# KiCad board TRX055.01.01.PB.00.00.kicad_pcb (continued)
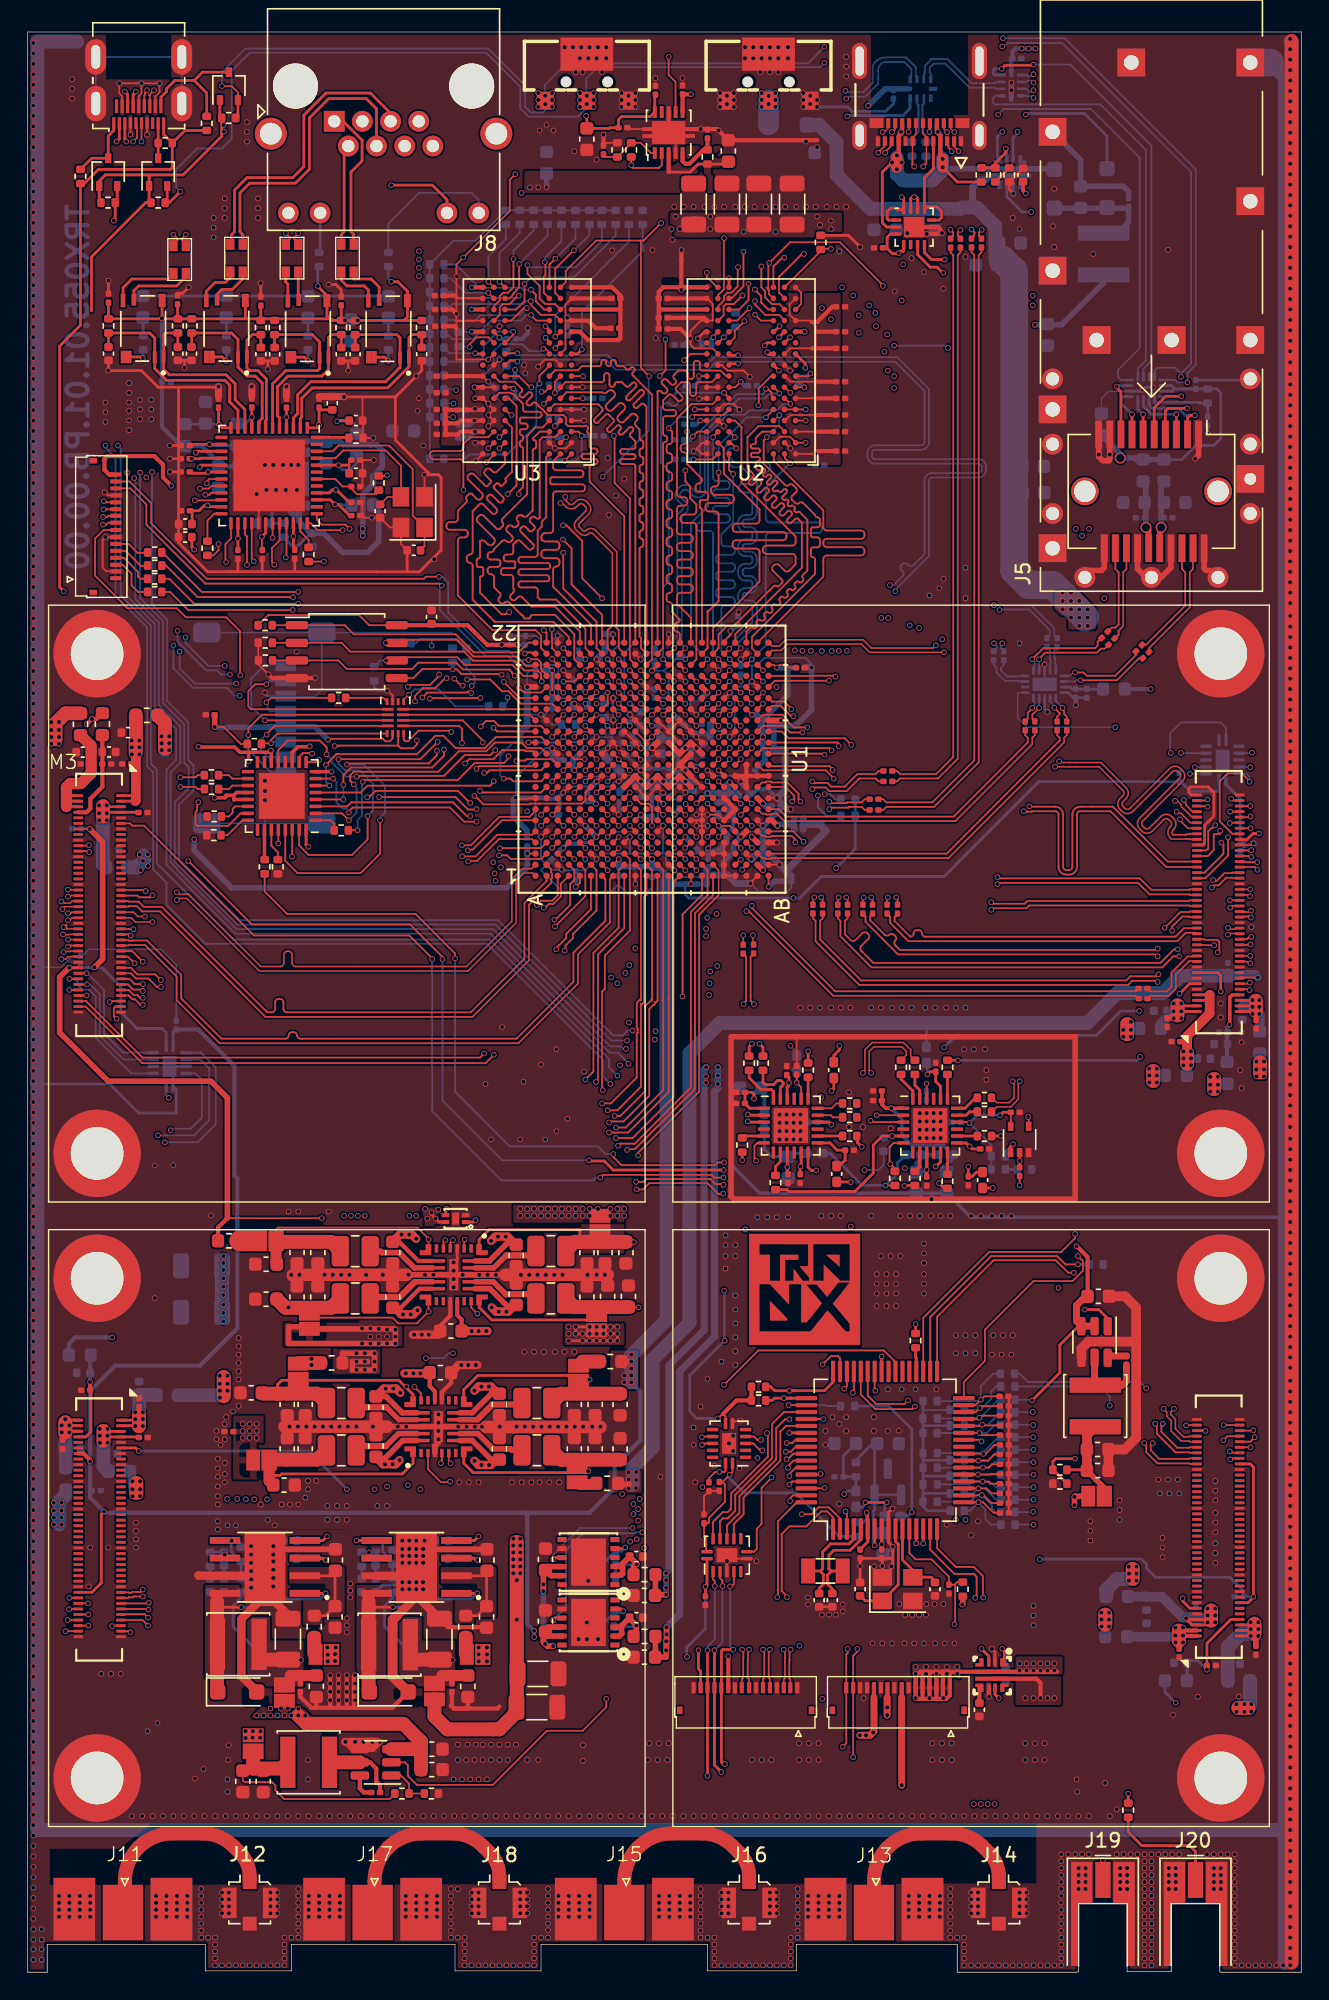
[diagram p0: board, top side]
## Placement (name value [footprint] x y rotation side) (continued)
C369  22M  [C_0603_1608Metric]  61 126.33 270 bottom
C370  22M  [C_0603_1608Metric]  62.6 126.33 270 bottom
C371  22M  [C_0603_1608Metric]  64.1 126.28 270 bottom
C372  22M  [C_0603_1608Metric]  65.4 126.3 270 bottom
C373  22M  [C_0603_1608Metric]  57.5 131.1 180 bottom
C374  22M  [C_0603_1608Metric]  70.8 124.6 0 bottom
C375  22M  [C_0603_1608Metric]  72.47 108.5 0 bottom
C376  22M  [C_0603_1608Metric]  72.5 106.6 0 bottom
C377  22M  [C_0603_1608Metric]  69.12 123 180 bottom
C378  100M  [C_1206_3216Metric]  48 127.4 90 top
C379  100M  [C_1206_3216Metric]  50.4 127.4 90 top
C380  100M  [C_1206_3216Metric]  52.7 127.4 90 top
C381  100M  [C_1206_3216Metric]  55.1 127.4 90 top
C382  M1  [C_0201_0603Metric]  71.5 57.68 90 top
C383  M1  [C_0201_0603Metric]  71.19 61.96 180 top
C391  100M  [C_1206_3216Metric]  36.78 21.5 0 top
C395  100M  [C_1206_3216Metric]  36.7 19.1 0 top
C396  100M  [C_1206_3216Metric]  12.53 50.9 180 bottom
C397  100M  [C_1206_3216Metric]  12.53 47.55 180 bottom
D1  DSK34  [D_SOD-123F]  74 128.5 90 bottom
D2  DSK34  [D_SOD-123F]  54.8 133.1 180 bottom
D3  DSK34  [D_SOD-123F]  26.03 20.2 0 top
D4  DSK34  [D_SOD-123F]  15.1 20.2 0 top
D5  DSK34  [D_SOD-123F]  77.8 128.55 90 bottom
FB1  BLM18PG330SN1D  [L_0603_1608Metric]  15.1 110.79 270 bottom
FB2  BLM18PG330SN1D  [L_0603_1608Metric]  24.11 105.7 0 bottom
FB3  BLM18PG330SN1D  [L_0603_1608Metric]  11.35 110.75 270 bottom
FB4  BLM18PG330SN1D  [L_0603_1608Metric]  15.23 107.73 270 bottom
FB5  BLM18PG330SN1D  [L_0603_1608Metric]  23.7 110.06 90 bottom
FB6  GZ1005U102TF  [L_0402_1005Metric_Pad0.77x0.64mm_HandSolder]  42.18 87.06 135 bottom
FB7  BLM18PG330SN1D  [L_0603_1608Metric]  21.9 43.9 0 top
FB8  BLM18PG330SN1D  [L_0603_1608Metric]  42 44 0 top
FB9  BLM18PG330SN1D  [L_0603_1608Metric]  41.77 35.23 0 top
FB10  BLM18PG330SN1D  [L_0603_1608Metric]  14.5 52.7 180 top
FB11  GZ1005U102TF  [L_0402_1005Metric_Pad0.77x0.64mm_HandSolder]  46.2 87.8 180 bottom
FB12  GZ1005U102TF  [L_0402_1005Metric_Pad0.77x0.64mm_HandSolder]  53.1 61.3 90 bottom
FB13  GZ1005U102TF  [L_0402_1005Metric_Pad0.77x0.64mm_HandSolder]  56.7 59 180 bottom
FB14  GZ1005U102TF  [L_0402_1005Metric_Pad0.77x0.64mm_HandSolder]  63.85 58.9 0 bottom
FB15  GZ1005U102TF  [L_0402_1005Metric_Pad0.77x0.64mm_HandSolder]  66.1 58.9 0 bottom
FB16  GZ1005U102TF  [L_0402_1005Metric_Pad0.77x0.64mm_HandSolder]  62.35 32.86 180 bottom
FB17  GZ1005U102TF  [L_0402_1005Metric_Pad0.77x0.64mm_HandSolder]  59.7 34.1 90 bottom
FB18  BLM18PG330SN1D  [L_0603_1608Metric]  80.9 68 180 bottom
FB19  BLM18PG330SN1D  [L_0603_1608Metric]  78.46 24.18 180 bottom
FB20  BLM18PG330SN1D  [L_0603_1608Metric]  8.58 90.56 0 top
FB21  BLM18PG330SN1D  [L_0603_1608Metric]  10.07 41.57 0 bottom
FB22  BLM18PG330SN1D  [L_0603_1608Metric]  88.8 67 270 bottom
FB23  BLM18PG330SN1D  [L_0603_1608Metric]  87.3 21 0 bottom
FB24  BLM18PG330SN1D  [L_0603_1608Metric]  3.8 89.92 90 top
FB25  BLM18PG330SN1D  [L_0603_1608Metric]  2.74 35.56 270 bottom
FB26  BLM18PG330SN1D  [L_0603_1608Metric]  86.45 64.8 270 bottom
FB27  BLM18PG330SN1D  [L_0603_1608Metric]  82.76 21 180 bottom
FB28  BLM18PG330SN1D  [L_0603_1608Metric]  5.38 89.93 90 top
FB29  BLM18PG330SN1D  [L_0603_1608Metric]  3.75 44.47 180 bottom
FB30  BLM18PG330SN1D  [L_0603_1608Metric]  82.76 64.62 180 bottom
FB31  BLM18PG330SN1D  [L_0603_1608Metric]  78.53 27.07 180 bottom
FB32  BLM18PG330SN1D  [L_0603_1608Metric]  6.42 79.6 0 bottom
FB33  BLM18PG330SN1D  [L_0603_1608Metric]  6.6 36.1 0 bottom
FB34  BLM18PG330SN1D  [L_0603_1608Metric]  80.4 108.2 90 bottom
FB35  BLM18PG330SN1D  [L_0603_1608Metric]  81.9 108.2 90 bottom
FB36  BLM18PG330SN1D  [L_0603_1608Metric]  20.65 24.9 90 top
FB37  BLM18PG330SN1D  [L_0603_1608Metric]  44.46 24.2 0 top
FB38  BLM18PG330SN1D  [L_0603_1608Metric]  44.46 28.65 0 top
FB39  BLM18PG330SN1D  [L_0603_1608Metric]  31.58 24.9 90 top
FB40  BLM18PG330SN1D  [L_0603_1608Metric]  78.3 92.45 0 bottom
FB41  GZ1005U102TF  [L_0402_1005Metric_Pad0.77x0.64mm_HandSolder]  55.43 65.48 90 bottom
FB42  GZ1005U102TF  [L_0402_1005Metric_Pad0.77x0.64mm_HandSolder]  58.1 65 90 top
FB43  GZ1005U102TF  [L_0402_1005Metric_Pad0.77x0.64mm_HandSolder]  58.31 57.52 270 top
FB44  GZ1005U102TF  [L_0402_1005Metric_Pad0.77x0.64mm_HandSolder]  64.78 66.09 90 bottom
FB45  GZ1005U102TF  [L_0402_1005Metric_Pad0.77x0.64mm_HandSolder]  68.83 57.08 270 top
G***  LOGO  [trnx_logo]  56 49.2 0 top
J5  SFP  [Connector_SFP_and_Cage]  81 100.5 270 top
J6  Micro_SD_Card  [microSD_HC_Molex_47219-2001]  16.5 89.65 90 bottom
J7  HDMI_D_1.4  [HDMI_Micro-D_Molex_46765-1x01]  8 138 180 top
J8  RJHSE5383  [RJ45_Amphenol_RJHSE538X]  22.09 133.36 0 top
J9  1054500101  [MOLEX_1054500101]  64.28 139.47 180 top
J10  Conn_01x16_Pin  [FH34SRJ-16S-0.5SH]  6.35 104.16 270 top
J11  HYCW12-SMAW0863-1365B  [sma-edge]  6.86 2.3 270 top
J12  U.FL-R-SMT-1(80)  [U.FL_Molex_MCRF_73412-0110_Vertical]  16 5 180 top
J13  HYCW12-SMAW0863-1365B  [sma-edge]  61 2.3 270 top
J14  U.FL-R-SMT-1(80)  [U.FL_Molex_MCRF_73412-0110_Vertical]  70 5 180 top
J15  HYCW12-SMAW0863-1365B  [sma-edge]  43 2.3 270 top
J16  U.FL-R-SMT-1(80)  [U.FL_Molex_MCRF_73412-0110_Vertical]  52 5 180 top
J17  HYCW12-SMAW0863-1365B  [sma-edge]  24.86 2.3 270 top
J18  U.FL-R-SMT-1(80)  [U.FL_Molex_MCRF_73412-0110_Vertical]  34 5 180 top
J19  Conn_Coaxial  [MMCX_Molex_73415-0961_Horizontal_1.6mm-PCB]  77.5 4.2 90 top
J20  Conn_Coaxial  [MMCX_Molex_73415-0961_Horizontal_1.6mm-PCB]  84.18 4.2 90 top
J21  GT-BTP30003-0720A-016A  [BAT-SMD_GT-BTP30003-0500A-016A-1]  53.4 136.53 180 top
J22  GT-BTP30003-0720A-016A  [BAT-SMD_GT-BTP30003-0500A-016A-1]  40.3 136.53 180 top
J23  Conn_01x16_Pin  [FH34SRJ-16S-0.5SH]  51.75 20.5 0 top
J24  Conn_01x16_Pin  [FH34SRJ-16S-0.5SH]  62.75 20.5 0 top
JP1  Jumper_2_Open  [SolderJumper-2_P1.3mm_open_Pad1.0x1.5mm]  17.3 52.7 180 top
JP2  Jumper_2_Open  [SolderJumper-2_P1.3mm_open_Pad1.0x1.5mm]  20.3 46.9 270 top
JP3  Jumper_2_Open  [SolderJumper-2_P1.3mm_open_Pad1.0x1.5mm]  41.25 53.95 90 top
JP4  Jumper_2_Open  [SolderJumper-2_P1.3mm_open_Pad1.0x1.5mm]  41 46.8 270 top
JP5  Jumper_2_Open  [SolderJumper-2_P1.3mm_open_Pad1.0x1.5mm]  39.6 35.85 270 top
JP6  Jumper_2_Open  [SolderJumper-2_P1.3mm_open_Pad1.0x1.5mm]  39.7 43.15 90 top
JP7  Jumper_2_Open  [SolderJumper-2_P1.3mm_open_Pad1.0x1.5mm]  16.8 36.9 180 top
JP8  Jumper_2_Open  [SolderJumper-2_P1.3mm_open_Pad1.0x1.5mm]  19.5 43.3 90 top
JP9  Jumper_2_Open  [SolderJumper-2_P1.3mm_open_Pad1.0x1.5mm]  18.5 20.1 270 top
JP10  Jumper_2_Open  [SolderJumper-2_P1.3mm_open_Pad1.0x1.5mm]  21.3 22.9 180 top
JP11  Jumper_2_Open  [SolderJumper-2_P1.3mm_open_Pad1.0x1.5mm]  32.2 22.9 180 top
JP12  Jumper_2_Open  [SolderJumper-2_P1.3mm_open_Pad1.0x1.5mm]  29.31 20.21 270 top
JP13  Jumper_2_Open  [SolderJumper-2_P1.3mm_open_Pad1.0x1.5mm]  77 34.3 180 top
JP14  Jumper_2_Open  [SolderJumper-2_P1.3mm_open_Pad1.0x1.5mm]  16.25 16.53 90 top
L1  DFE252012PD-R47M  [L_1008_2520Metric]  23.61 51.95 180 top
L2  DFE252012PD-R47M  [L_1008_2520Metric]  23.61 48.55 180 top
L3  DFE252012PD-R47M  [L_1008_2520Metric]  37.71 51.96 0 top
L4  DFE252012PD-R47M  [L_1008_2520Metric]  37.71 48.55 0 top
L5  DFE252012PD-R47M  [L_1008_2520Metric]  36.7 37.61 0 top
L6  DFE252012PD-R47M  [L_1008_2520Metric]  36.7 41.01 0 top
L7  DFE252012PD-R47M  [L_1008_2520Metric]  22.6 37.6 180 top
L8  DFE252012PD-R47M  [L_1008_2520Metric]  22.6 41.01 180 top
L9  -  [SRF2012A-801Y]  10.9 123.4 90 top
L10  -  [SRF2012A-801Y]  15 123.5 90 top
L11  -  [SRF2012A-801Y]  19 123.5 90 top
L12  -  [SRF2012A-801Y]  23 123.5 90 top
L13  EXLA1V0402-4R7-R  [EXLA1V04]  26.08 23.6 0 top
L15  EXLA1V0402-4R7-R  [EXLA1V04]  76.95 40.8 270 top
L16  EXLA1V0402-4R7-R  [EXLA1V04]  77.55 123.8 270 bottom
L17  EXLA1V0402-4R7-R  [EXLA1V04]  15.17 23.62 0 top
L18  EXLA1V0402-4R7-R  [EXLA1V04]  20.25 15.12 180 top
M1  DF40HC-80DS  [module_sdr_kit_base]  68 77 180 top
M2  DF40HC-80DS  [module_sdr_kit_base]  68 32 180 top
M3  DF40HC-80DS  [module_sdr_kit_base]  23 77 0 top
M4  DF40HC-80DS  [module_sdr_kit_base]  23 32 0 top
Q1  NTS4001NT1G  [SOT-323_SC-70]  9.4 129.7 90 top
Q2  NTS4001NT1G  [SOT-323_SC-70]  14.5 135.9 90 top
Q3  NTS4001NT1G  [SOT-323_SC-70]  5.8 129.7 90 top
R1  10K  [R_0402_1005Metric]  18.86 29.8 180 bottom
R2  10K  [R_0402_1005Metric]  15.38 27.9 90 bottom
R3  10K  [R_0402_1005Metric]  15.38 30.1 90 bottom
R4  10K  [R_0402_1005Metric]  13.15 29.76 270 bottom
R5  5K1  [R_0402_1005Metric]  41.76 24.9 180 bottom
R6  10K  [R_0402_1005Metric]  41.76 25.9 180 bottom
R7  5K1  [R_0402_1005Metric]  41.86 29.35 180 bottom
R8  10K  [R_0402_1005Metric]  41.86 30.35 180 bottom
R9  39R  [R_0402_1005Metric]  29.49 115.05 180 bottom
R10  39R  [R_0402_1005Metric]  29.49 116.05 180 bottom
R11  39R  [R_0402_1005Metric]  29.49 123.05 180 bottom
R12  10K  [R_0402_1005Metric]  25.3 107.3 270 top
R13  39R  [R_0402_1005Metric]  29.49 119.05 180 bottom
R14  33R  [R_0402_1005Metric]  64.75 131.36 90 bottom
R15  39R  [R_0402_1005Metric]  29.49 121.05 180 bottom
R16  39R  [R_0402_1005Metric]  34.47 126.44 90 bottom
R17  33R  [R_0402_1005Metric]  63.75 131.36 90 bottom
R18  33R  [R_0402_1005Metric]  9.15 99.45 180 top
R19  33R  [R_0402_1005Metric]  9.15 100.4 180 top
R20  33R  [R_0402_1005Metric]  9.15 101.35 180 top
R21  33R  [R_0402_1005Metric]  9.15 102.3 180 top
R22  33R  [R_0402_1005Metric]  52 65.5 90 top
R23  33R  [R_0402_1005Metric]  53 65.5 90 top
R24  33R  [R_0402_1005Metric]  59.25 62.6 0 top
R25  33R  [R_0402_1005Metric]  59.25 61.6 0 top
R26  33R  [R_0402_1005Metric]  22.6 82.28 0 top
R27  33R  [R_0402_1005Metric]  13.24 86.25 0 top
R28  33R  [R_0402_1005Metric]  13.25 85.25 0 top
R29  8K06  [R_0402_1005Metric]  13.42 81.92 0 top
R30  39R  [R_0402_1005Metric]  29.49 122.05 180 bottom
R31  39R  [R_0402_1005Metric]  37.47 126.44 90 bottom
R32  39R  [R_0402_1005Metric]  39.48 126.43 90 bottom
R33  39R  [R_0402_1005Metric]  41.39 126.43 90 bottom
R34  39R  [R_0402_1005Metric]  35.47 126.44 90 bottom
R35  39R  [R_0402_1005Metric]  42.39 126.43 90 bottom
R36  39R  [R_0402_1005Metric]  36.47 126.44 90 bottom
R37  39R  [R_0402_1005Metric]  38.47 126.44 90 bottom
R38  39R  [R_0402_1005Metric]  40.48 126.43 90 bottom
R39  39R  [R_0402_1005Metric]  43.33 126.42 90 bottom
R40  39R  [R_0402_1005Metric]  29.49 120.05 180 bottom
R41  39R  [R_0402_1005Metric]  29.49 118.05 180 bottom
R42  39R  [R_0402_1005Metric]  29.49 117.05 180 bottom
R43  39R  [R_0402_1005Metric]  29.49 109.05 180 bottom
R44  39R  [R_0402_1005Metric]  29.49 112.05 180 bottom
R45  39R  [R_0402_1005Metric]  29.49 113.05 180 bottom
R46  39R  [R_0402_1005Metric]  44.33 126.42 90 bottom
R47  39R  [R_0402_1005Metric]  29.49 114.05 180 bottom
R48  80R  [R_0402_1005Metric]  34.49 116.25 270 bottom
R49  10K  [R_0402_1005Metric]  57.16 124.63 90 top
R50  240R  [R_0402_1005Metric]  51.03 119.05 270 bottom
R51  240R  [R_0402_1005Metric]  31.05 117.65 270 bottom
R52  80R  [R_0402_1005Metric]  46.42 89.27 90 bottom
R53  80R  [R_0402_1005Metric]  44.21 90.32 90 bottom
R54  12K1  [R_0402_1005Metric]  23.66 110.55 180 top
R55  49R9  [R_0402_1005Metric]  5.82 118.62 270 top
R56  33R  [R_0402_1005Metric]  20.25 102.15 90 top
R57  33R  [R_0402_1005Metric]  12.95 102.6 90 top
R58  49R9  [R_0402_1005Metric]  10.82 118.62 270 top
R59  75R  [R_0402_1005Metric]  8.32 117.4 90 bottom
R60  49R9  [R_0402_1005Metric]  11.82 118.62 270 top
R61  49R9  [R_0402_1005Metric]  16.8 118.5 270 top
R62  75R  [R_0402_1005Metric]  14.32 117.4 90 bottom
R63  49R9  [R_0402_1005Metric]  17.79 118.5 270 top
R64  49R9  [R_0402_1005Metric]  22.6 118.5 270 top
R65  75R  [R_0402_1005Metric]  20.2 117.4 90 bottom
R66  49R9  [R_0402_1005Metric]  23.6 118.5 270 top
R67  49R9  [R_0402_1005Metric]  28.4 118.5 270 top
R68  75R  [R_0402_1005Metric]  26 117.4 90 bottom
R69  10K  [R_0402_1005Metric]  41.6 90.9 270 bottom
R70  10K  [R_0402_1005Metric]  38.99 89.9 180 bottom
R71  10K  [R_0402_1005Metric]  43.5 131.3 90 top
R72  10K  [R_0402_1005Metric]  42.5 131.3 90 top
R73  33R  [R_0402_1005Metric]  49 130.79 270 top
R74  33R  [R_0402_1005Metric]  56.25 65 90 top
R75  33R  [R_0402_1005Metric]  17.08 79.65 90 top
R76  33R  [R_0402_1005Metric]  59.25 60.25 0 top
R77  33R  [R_0402_1005Metric]  53.9 56.9 270 top
R78  33R  [R_0402_1005Metric]  62.95 65.2 90 top
R79  33R  [R_0402_1005Metric]  63.95 65.2 90 top
R80  33R  [R_0402_1005Metric]  68.96 63 0 top
R81  33R  [R_0402_1005Metric]  68.96 62 0 top
R82  33R  [R_0402_1005Metric]  66.3 65.2 90 top
R83  33R  [R_0402_1005Metric]  66.3 56.99 270 top
R84  33R  [R_0402_1005Metric]  68.96 60.25 0 top
R85  33R  [R_0402_1005Metric]  63.95 57.2 270 top
R86  10K  [R_0402_1005Metric]  59.7 36.21 270 bottom
R87  33R  [R_0402_1005Metric]  64 45.51 90 top
R88  10K  [R_0402_1005Metric]  13.44 83.28 0 top
R89  10K  [R_0402_1005Metric]  18.03 79.65 90 top
R90  33R  [R_0402_1005Metric]  51.5 59.6 270 top
R91  10K  [R_0402_1005Metric]  29.78 29.8 180 bottom
R92  10K  [R_0402_1005Metric]  24.08 29.76 270 bottom
R93  10K  [R_0402_1005Metric]  26.3 27.89 90 bottom
R94  10K  [R_0402_1005Metric]  26.3 29.9 90 bottom
R95  10K  [R_0402_1005Metric]  85.05 113.56 270 bottom
R96  10K  [R_0402_1005Metric]  70.5 21.41 270 bottom
R97  10K  [R_0402_1005Metric]  77 51 0 bottom
R98  8K06  [R_0402_1005Metric]  68.75 129.5 270 top
R99  240  [R_0402_1005Metric]  69.75 129.5 270 top
R100  240  [R_0402_1005Metric]  70.75 129.5 270 top
R101  10K  [R_0402_1005Metric]  9.91 131.8 180 top
R102  10K  [R_0402_1005Metric]  12.9 133.21 90 top
R103  10K  [R_0402_1005Metric]  9.4 127.5 0 top
R104  10K  [R_0402_1005Metric]  14.49 133.6 0 top
R105  10K  [R_0402_1005Metric]  3.8 129.39 90 top
R106  10K  [R_0402_1005Metric]  5.79 127.5 0 top
R107  10K  [R_0402_1005Metric]  18.5 103.9 90 bottom
R108  10K  [R_0402_1005Metric]  16.9 104.4 180 bottom
R109  10K  [R_0402_1005Metric]  59.1 40.8 180 bottom
R110  10K  [R_0402_1005Metric]  67.4 27.6 90 top
R111  10K  [R_0402_1005Metric]  70.67 32.25 180 bottom
R112  10K  [R_0402_1005Metric]  67 33.25 180 bottom
R113  10K  [R_0402_1005Metric]  70.66 33.15 180 bottom
R114  10K  [R_0402_1005Metric]  65.05 33.9 180 bottom
R115  10K  [R_0402_1005Metric]  70.66 34.05 180 bottom
R116  10K  [R_0402_1005Metric]  67 34.5 180 bottom
R117  10K  [R_0402_1005Metric]  70.65 34.95 180 bottom
R118  10K  [R_0402_1005Metric]  65.05 35.15 180 bottom
R119  10K  [R_0402_1005Metric]  70.65 35.85 180 bottom
R120  10K  [R_0402_1005Metric]  66.99 35.75 180 bottom
R121  10K  [R_0402_1005Metric]  70.65 36.75 180 bottom
R122  10K  [R_0402_1005Metric]  65.05 36.35 180 bottom
R123  10K  [R_0402_1005Metric]  70.65 37.65 180 bottom
R124  10K  [R_0402_1005Metric]  67 36.9 180 bottom
R125  10K  [R_0402_1005Metric]  70.65 38.55 180 bottom
R126  10K  [R_0402_1005Metric]  65.05 37.4 180 bottom
R127  10K  [R_0402_1005Metric]  70.64 39.45 180 bottom
R128  10K  [R_0402_1005Metric]  65.05 38.85 180 bottom
R129  100K  [R_0402_1005Metric]  70.64 40.35 180 bottom
R130  10K  [R_0402_1005Metric]  67 39.4 180 bottom
R131  10K  [R_0402_1005Metric]  70.65 41.25 180 bottom
R132  10K  [R_0402_1005Metric]  65.05 39.9 180 bottom
R133  10K  [R_0402_1005Metric]  70.65 42.2 180 bottom
R134  10K  [R_0402_1005Metric]  67 40.53 180 bottom
R135  10K  [R_0402_1005Metric]  70.62 43.12 180 bottom
R136  10K  [R_0402_1005Metric]  65.05 41.15 180 bottom
R137  33  [R_0402_1005Metric]  74.4 36.2 180 top
R138  NU  [R_0402_1005Metric]  74.4 35.2 180 top
R139  33  [R_0402_1005Metric]  26.97 12.88 0 top
R140  NU  [R_0402_1005Metric]  29.1 12.88 0 top
R141  33R  [R_0402_1005Metric]  79.32 11.68 90 top
R142  10K  [R_0402_1005Metric]  62.51 57.2 90 top
R143  10K  [R_0402_1005Metric]  59.7 31.9 90 bottom
R144  33R  [R_0402_1005Metric]  22.41 91.82 0 top
R145  33R  [R_0402_1005Metric]  33.74 91.21 0 bottom
R146  10K  [R_0402_1005Metric]  27.14 95.76 0 bottom
R147  10K  [R_0402_1005Metric]  17.13 94.52 0 top
R148  10K  [R_0402_1005Metric]  17.12 95.79 0 top
R149  10K  [R_0402_1005Metric]  30.62 94.9 270 bottom
R150  10K  [R_0402_1005Metric]  24.97 93.55 90 bottom
R151  10K  [R_0402_1005Metric]  17.11 97.05 180 top
R152  500  [R_0402_1005Metric]  50.26 83.42 0 bottom
R153  10K  [R_0402_1005Metric]  31.62 94.9 90 bottom
R154  10K  [R_0402_1005Metric]  16.33 88.5 180 top
R155  10K  [R_0402_1005Metric]  59.13 84.48 0 bottom
R156  10K  [R_0402_1005Metric]  59.13 83.32 0 bottom
R157  10K  [R_0402_1005Metric]  52.68 41.2 0 top
R158  10K  [R_0402_1005Metric]  52.68 42.18 0 top
R159  10K  [R_0402_1005Metric]  39.84 91.27 0 bottom
R160  10K  [R_0402_1005Metric]  26 123.4 90 bottom
R161  10K  [R_0402_1005Metric]  21 123.4 90 bottom
R162  5K1  [R_0402_1005Metric]  41.86 28.4 180 bottom
R163  33R  [R_0402_1005Metric]  61.7 59.66 90 bottom
R164  10K  [R_0402_1005Metric]  71.86 57.84 0 bottom
R165  10K  [R_0402_1005Metric]  69.96 57.85 0 bottom
R166  10K  [R_0402_1005Metric]  69.97 58.79 0 bottom
T1  SM453229-231N7Y  [XFMR_SM453229-231N7Y]  8.32 118.43 90 top
T2  SM453229-231N7Y  [XFMR_SM453229-231N7Y]  14.32 118.43 90 top
T3  SM453229-231N7Y  [XFMR_SM453229-231N7Y]  20.2 118.41 90 top
T4  SM453229-231N7Y  [XFMR_SM453229-231N7Y]  26 118.41 90 top
U1  XC7Z015-2CLG485I  [CLG485XC7Z012S&slash_XC7Z015_AMD]  45 87.4 90 top
U2  K4B4G1646E-BYMA  [BGA-96_9.0x13.0mm_Layout2x3x16_P0.8mm]  52.15 115.4 180 top
U3  K4B4G1646E-BYMA  [BGA-96_9.0x13.0mm_Layout2x3x16_P0.8mm]  36 115.4 180 top
U4  LP87524JRNFRQ1  [VREG_LP87524JRNFRQ1]  30.71 50.25 270 top
U5  NCP186AMN080TBG  [DFN-12_L4.0-W4.0-P0.65-BL-EP3.4]  40.42 29.55 90 top
U6  LP87524JRNFRQ1  [VREG_LP87524JRNFRQ1]  29.6 39.31 90 top
U7  TPS54531DDAR  [CONV_TPS54531DDAR]  28.03 29.2 180 top
U8  NCP186AMN080TBG  [DFN-12_L4.0-W4.0-P0.65-BL-EP3.4]  40.42 25.2 90 top
U9  TS3USB221RSER  [IC_TPD6E001RSER]  70.9 135.95 180 bottom
U10  NVT4858HKZ  [XQFN16]  26.5 90.4 180 top
U11  KSZ9031RNXCA  [QFN-48-1EP_7x7mm_P0.5mm_EP5.15x5.15mm]  17.4 107.84 270 top
U12  USB3320C-EZK-TR  [QFN-32-1EP_5x5mm_P0.5mm_EP3.3x3.3mm]  18.31 84.75 180 top
U13  5P35023B-000NLGI  [VQFN-24-1EP_4x4mm_P0.5mm_EP2.5x2.5mm]  65.05 61 0 top
U14  W25Q128JVSIQ  [SOIC-8_5.23x5.23mm_P1.27mm]  23 95.15 0 top
U15  TPS51200DRC  [VSON-10-1EP_3x3mm_P0.5mm_EP1.65x2.4mm]  46.2 132.55 90 top
U16  5P35023B-000NLGI  [VQFN-24-1EP_4x4mm_P0.5mm_EP2.5x2.5mm]  55 61 0 top
U17  STM32G070RBTx  [LQFP-64_10x10mm_P0.5mm]  61.8 37.61 90 top
U18  TL431DBZ  [SOT-23]  62 35.34 90 bottom
U19  TXU0304  [DHVQFN-14-1EP_2.5x3mm_P0.5mm_EP1x1.5mm]  86.12 87.34 0 bottom
U20  TS3USB221RSER  [IC_TPD6E001RSER]  64.35 135.7 270 bottom
U21  AP63203WU  [TSOT-23-6]  25.08 15.12 180 top
U22  TCA6408ARSVR  [UQFN-16_L2.6-W1.8-P0.40-BL]  80.62 114.12 180 bottom
U23  TXU0304  [DHVQFN-14-1EP_2.5x3mm_P0.5mm_EP1x1.5mm]  10.22 65.26 180 bottom
U24  SIP32409DNP-T1-GE4  [UDFN-5_L1.6-W1.2-P0.50-BL-EP]  30.84 54.3 90 top
U25  FUSB302BMPX  [WQFN-14-1EP_2.5x2.5mm_P0.5mm_EP1.45x1.45mm]  63.89 125.74 0 top
U26  FUSB340TMX  [TMLP-18_L2.8-W2.0-P0.40-BL-EP]  73.3 92.8 180 bottom
U27  LM73100RPWR  [VQFN-10_L2.0-W2.0-P0.45-TL]  70.8 129.7 270 bottom
U28  SN74LVC1G125DCKR  [SOT-353_SC-70-5]  71.5 60 90 top
U29  LM73100RPWR  [VQFN-10_L2.0-W2.0-P0.45-TL]  69.5 21.41 270 top
U30  AP63203WU  [TSOT-23-6]  76.9 45.41 270 top
U31  NCP186AMN080TBG  [DFN-12_L4.0-W4.0-P0.65-BL-EP3.4]  18.58 107.59 180 bottom
U32  TXU0304  [DHVQFN-14-1EP_2.5x3mm_P0.5mm_EP1x1.5mm]  50.4 30.05 90 top
U33  TXU0304  [DHVQFN-14-1EP_2.5x3mm_P0.5mm_EP1x1.5mm]  50.55 38.1 180 top
U34  TPS54531DDAR  [CONV_TPS54531DDAR]  17.1 29.21 180 top
Y1  X322525MOB4SI  [Crystal_SMD_3225-4Pin_3.2x2.5mm]  27.75 105.2 90 top
Y2  X322525MOB4SI  [Crystal_SMD_3225-4Pin_3.2x2.5mm]  62.7 27.6 0 top
Y3  XKXGI-SUA-32.768K  [Crystal_SMD_3215-2Pin_3.2x1.5mm]  57.5 28.91 180 top

## Library data of the parts
C1-C24 C111 C148-C150 C154-C165 C169 C171 C174 C176 C227 C229 C231 C233 C234 C239 C245-C250 C257 C282-C286 C288 C310 C311 C313 C314 C323-C326 = -: Description: capacitor; Voltage: 100V; Material: X7R; JLCPCB Part #: C96446
C25 C113 C114 C117 C124 C127 C186 C188 C190 C192 C194 C196 C198 C200 C202 C204 C206 C208 C210 C212 C214 C216 C240 C244 C289 = -: Description: capacitor; Voltage: 100V; Material: X7R; JLCPCB Part #: C52923
C26 C28-C107 C166-C168 C170 C172 C173 C175 C177 C179 C184 C185 C187 C189 C191 C193 C195 C197 C199 C201 C203 C205 C207 C209 C211 C213 C215 C217-C226 C228 C230 C232 C235 C236 C253 C258-C278 C281 C287 C290-C309 C312 C315-C322 C382 C383 = -: Description: capacitor; Voltage: 100V; Material: X7R; PN: CL03A104KP3NNNC; JLC: C49062; JLCPCB Part #: C1581
C27 C110 C112 C115 C116 C118-C123 C125 C126 C128-C130 C133 C137 C141 C145 C147 C151-C153 C178 C327-C368 = -: Description: capacitor; Voltage: 100V; Material: X7R; JLCPCB Part #: C1581
C108 C109 C131 C132 C135 C136 C139 C140 C143 C144 C180-C183 C237 C241 C243 C252 C254 C255 = -: Description: capacitor; Voltage: 100V; Material: X7R; JLCPCB Part #: C32949
C134 C138 C142 C146 = -: Description: capacitor; Voltage: 100V; Material: X7R; JLCPCB Part #: C1588
C238 C256 C378-C381 C391 C395-C397 = -: Description: capacitor; Voltage: 100V; Material: X5R; JLCPCB Part #: C15008
C242 C251 C279 C280 = -: Description: capacitor; Voltage: 100V; Material: X7R
C369-C377 = -: Description: capacitor; Voltage: 35V; Material: X5R; JLCPCB Part #: C338080; LCSC: C338080
D1-D5 = -: Datasheet: https://www.comchiptech.com/admin/files/product/CDBA340-HF%20Thru193640.%20CDBA3100-HF%20RevB.pdf; Description: 40V 3A Schottky Barrier Rectifier Diode, SMA(DO-214AC); JLCPCB Part #: C727076; LCSC: C727076; ki_fp_filters: D*SMA*
FB1-FB5 FB7-FB10 FB18-FB40 = -: Description: Ferrite bead; JLCPCB Part #: C88984; ki_fp_filters: Inductor_* L_* *Ferrite*
FB6 FB11-FB17 FB41-FB45 = -: Description: Ferrite bead; JLCPCB Part #: C19136; ki_fp_filters: Inductor_* L_* *Ferrite*
J5 = -: Datasheet: http://www.10gtek.com/templates/wzten/pdf/INF-8074.pdf; Description: Connector for Small Form Factor Pluggable (SFP) module, 1 Gbit/s, serial-to-serial data-agnostic optical transceiver; JLCPCB Part #: C42418480; ki_fp_filters: *SFP*
J6 = -: Datasheet: http://katalog.we-online.de/em/datasheet/693072010801.pdf; Description: Micro SD Card Socket; JLCPCB Part #: C164170; LCSC: C164170; ki_fp_filters: microSD*
J7 = -: Datasheet: http://pinoutguide.com/PortableDevices/micro_hdmi_type_d_pinout.shtml; Description: HDMI 1.4+ type D connector; JLCPCB Part #: C563878; ki_fp_filters: HDMI*D*
J8 = -: Description: RJ connector, 8P8C (8 positions 8 connected), two LEDs; ki_fp_filters: 8P8C* RJ45*
J9 = -: MF: Molex; OPTION: MOLEX_CONFIG; Package: None; Price: None; Check_prices: https://www.snapeda.com/parts/105450-0101/Molex/view-part/?ref=eda; STANDARD: Manufacturer Recommendations; PARTREV: A7; SnapEDA_Link: https://www.snapeda.com/parts/105450-0101/Molex/view-part/?ref=snap; MP: 105450-0101; Description_1: USB Shielded I/O Receptacle,Type C,Right Angle,Surface Mount,Gold over Nickel | Molex Incorporated 105450-0101; MANUFACTURER: Molex; Availability: In Stock; MAXIMUM_PACKAGE_HEIGHT: 3.24mm; JLCPCB Part #: C134092
J10 J23 J24 = -: Description: Generic connector, single row, 01x16, script generated; JLCPCB Part #: C324725; LCSC: C324725; ki_fp_filters: Connector*:*_1x??_*
J11 J13 J15 J17 = -: Description: coaxial connector (BNC, SMA, SMB, SMC, Cinch/RCA, LEMO, ...); JLCPCB Part #: C5301850; ki_fp_filters: *BNC* *SMA* *SMB* *SMC* *Cinch* *LEMO*
J12 J14 J16 J18 = -: Description: coaxial connector (BNC, SMA, SMB, SMC, Cinch/RCA, LEMO, ...); JLCPCB Part #: C88374; ki_fp_filters: *BNC* *SMA* *SMB* *SMC* *Cinch* *LEMO*
J19 J20 = -: Description: coaxial connector (BNC, SMA, SMB, SMC, Cinch/RCA, LEMO, ...); JLCPCB Part #: C5250057; ki_fp_filters: *BNC* *SMA* *SMB* *SMC* *Cinch* *LEMO*
J21 J22 = -: Datasheet: https://item.szlcsc.com/datasheet/GT-BTP30003-0720A-016A/43150786.html; Description: Connect Type:Spring Contact Type Pitch:3mm Number of Pins:3P Mounting Type:Surface Mount, Right Angle Current Rating:3A Voltage Rating (Max):12V Contact Material:Phosphor Bronze Contact Plating:Gold Operating Temperature:-40°C~+85°C Operating Temperature:-4; Manufacturer: G-Switch(品赞); Supplier Part: C41378742; Supplier: LCSC; LCSC Part Name: 卧式Pitch3.0 3P电池座; LCSC: C41378742
JP1-JP14 = -: Description: Jumper, 2-pole, open; ki_fp_filters: Jumper* TestPoint*2Pads* TestPoint*Bridge*
L1-L8 = -: SFR: 10Mhz; Ipeak: 3A; Icont: 1A; JLCPCB Part #: C1333867
L9-L12 = -: Description: Coupled inductor; LCSC: C913217; ki_fp_filters: Choke_* *Coil* Inductor_* L_*
L13 L15-L18 = -: SFR: 10Mhz; Ipeak: 3A; Icont: 1A
M1-M4 = -: JLCPCB Part #: C5254351
Q1-Q3 = -: Datasheet: https://www.onsemi.com/pub/Collateral/BSS138-D.PDF; Description: 50V Vds, 0.22A Id, N-Channel MOSFET, SOT-23; LCSC: C7429091; ki_fp_filters: SOT?23*
R1-R4 R6 R8 R12 R49 R69-R72 R86 R88 R89 R91-R97 R101-R128 R130-R136 R142 R143 R146-R151 R153-R161 R164-R166 = -: Power: 250mW; Tolerance: =< 5%; JLCPCB Part #: C25744
R5 R7 = -: Power: 250mW; Tolerance: =< 5%; JLCPCB Part #: C25905
R9-R11 R13 R15 R16 R30-R47 = -: Power: 250mW; Tolerance: =< 5%; JLCPCB Part #: C25110
R14 R17-R28 R56 R57 R73-R85 R87 R90 R137 R139 R141 R144 R145 R163 = -: Power: 250mW; Tolerance: =< 5%; JLCPCB Part #: C25105
R29 R98 = -: Power: 250mW; Tolerance: =< 5%; JLCPCB Part #: C276278; LCSC: C276278
R48 R52 R53 = -: Power: 250mW; Tolerance: =< 5%; JLCPCB Part #: C854436; LCSC: C854436
R50 R51 R99 R100 = -: Power: 250mW; Tolerance: =< 5%; JLCPCB Part #: C25094
R54 = -: Power: 250mW; Tolerance: =< 5%; JLCPCB Part #: C132157
R55 R58 R60 R61 R63 R64 R66 R67 = -: Power: 250mW; Tolerance: =< 5%; JLCPCB Part #: C25120; LCSC: C25120
R59 R62 R65 R68 = -: Power: 250mW; Tolerance: =< 5%; JLCPCB Part #: C25133
R129 = -: Power: 250mW; Tolerance: =< 5%; JLCPCB Part #: C25530
R138 R140 = -: Power: 250mW; Tolerance: =< 5%
R152 = -: Power: 250mW; Tolerance: =< 5%; JLCPCB Part #: C4125
R162 = -: Power: 250mW; Tolerance: =< 5%; JLCPCB Part #: C25905; LCSC: C25905
T1-T4 = -: MF: Bourns Inc.; MAXIMUM_PACKAGE_HEIGHT: 2.9mm; Package: None; Price: None; Check_prices: https://www.snapeda.com/parts/SM453229-231N7Y/Bourns/view-part/?ref=eda; STANDARD: Manufacturer Recommendations; PARTREV: 04/19; SnapEDA_Link: https://www.snapeda.com/parts/SM453229-231N7Y/Bourns/view-part/?ref=snap; Purchase-URL: https://www.snapeda.com/api/url_track_click_mouser/?unipart_id=4449271&manufacturer=Bourns Inc.&part_name=SM453229-231N7Y&search_term=None; Description_1: 200µH LAN 10/100/1000 Base-T, Power over Ethernet (PoE) Pulse Transformer 1:1 Surface Mount; Availability: In Stock; MANUFACTURER: Bourns; JLCPCB Part #: C6816858
U1 = -: Datasheet: XC7Z015-1CLG485I; JLCPCB Part #: C1522056; LCSC: C1522056; ki_fp_filters: CLG485XC7Z012S/XC7Z015_AMD CLG485XC7Z012S/XC7Z015_AMD-M CLG485XC7Z012S/XC7Z015_AMD-L
U2 U3 = -: Datasheet: https://www.alliancememory.com/wp-content/uploads/pdf/ddr3/4GB-AS4C256M16D3.pdf; Description: 4Gb (256Mx16 bit) Double Data Rate 3 Synchronous DRAM; JLCPCB Part #: C500275; ki_fp_filters: BGA*9.0x13.0mm*P0.8mm*
U4 U6 = -: MF: Texas Instruments; MAXIMUM_PACKAGE_HEIGHT: 0.9 mm; Package: VQFN-HR-26 Texas Instruments; Price: None; Check_prices: https://www.snapeda.com/parts/LP87524JRNFRQ1/Texas+Instruments/view-part/?ref=eda; STANDARD: Manufacturer Recommendations; PARTREV: B; SnapEDA_Link: https://www.snapeda.com/parts/LP87524JRNFRQ1/Texas+Instruments/view-part/?ref=snap; Description_1: Multiphase 4MHz, 4A/1.0V + 2.5A/1.8V + 1.5A/3.3V + 1.5A/1.2V buck converters for AWR and IWR MMICs; Availability: In Stock; MANUFACTURER: Texas Instruments; JLCPCB Part #: C701982
U5 U8 U31 = -: Datasheet: https://item.szlcsc.com/datasheet/NCP186AMN080TBG/957753.html; Description: Output Type:Fixed Voltage - Supply:5.5V Output Voltage:800mV Output Voltage:800mV Output Current:1A Power Supply Rejection Ratio (PSRR):75dB@(1kHz) standby current:90uA Noise:48uVrms Features:Short Circuit Protection；Over Current Protection；Enable；Over Te; Manufacturer: onsemi(安森美); Supplier Part: C892281; Supplier: LCSC; LCSC Part Name: 低压差线性稳压器（LDO）——快速瞬态响应、低电压、1A; LCSC: C892281
U7 U34 = -: MF: Texas Instruments; MAXIMUM_PACKAGE_HEIGHT: 1.70 mm; Package: HSOIC-8 Texas Instruments; Price: None; Check_prices: https://www.snapeda.com/parts/TPS54531DDAR/Texas+Instruments/view-part/?ref=eda; STANDARD: Manufacturer Recommendations; PARTREV: A; SnapEDA_Link: https://www.snapeda.com/parts/TPS54531DDAR/Texas+Instruments/view-part/?ref=snap; Description_1: 3.5V to 28V Input, 5A, 570kHz Step-Down Converter with Eco-mode; Availability: In Stock; MANUFACTURER: Texas Instruments; JLCPCB Part #: C50605
U9 U20 = -: MF: Texas Instruments; Description_1: High-Speed USB 2.0 (480 Mbps) 1:2 Multiplexer/Demultiplexer Switch With Single Enable 10-UQFN -40 to 85; Package: UQFN-10 Texas Instruments; Price: None; SnapEDA_Link: https://www.snapeda.com/parts/TS3USB221RSERG4/Texas+Instruments/view-part/?ref=snap; MP: TS3USB221RSERG4; Availability: In Stock; Check_prices: https://www.snapeda.com/parts/TS3USB221RSERG4/Texas+Instruments/view-part/?ref=eda; JLCPCB Part #: C130085
U10 = -: JLCPCB Part #: C3035811; LCSC: C3035811
U11 = -: Datasheet: http://ww1.microchip.com/downloads/en/DeviceDoc/00002117C.pdf; Description: 10/100/1000Mbps Ethernet Transceiver with RGMII Interface, QFN-48; JLCPCB Part #: C514073; ki_fp_filters: QFN*1EP*7x7mm*P0.5mm*
U12 = -: JLCPCB Part #: C132156
U13 U16 = -: Datasheet: https://atta.szlcsc.com/upload/public/pdf/source/20240327/4C346C506739DAFF7F8BC3ABE021809F.pdf; Description: Interface:I2C Output Frequency(Max):500MHz Voltage - Supply:1.71V~1.89V；3.135V~3.465V；2.375V~2.625V Voltage - Supply:1.71V~1.89V；3.135V~3.465V；2.375V~2.625V Number of Outputs:6 Operating Temperature:-40°C~+85°C Operating Temperature:-40°C~+85°C; Manufacturer: RENESAS(瑞萨)/IDT; Supplier Part: C3611529; Supplier: LCSC; JLCPCB Part #: C3611529; LCSC: C3611529
U14 = -: Datasheet: http://www.winbond.com/resource-files/w25q128jv_dtr%20revc%2003272018%20plus.pdf; Description: 128Mb Serial Flash Memory, Standard/Dual/Quad SPI, SOIC-8; JLCPCB Part #: C97521; ki_fp_filters: SOIC*5.23x5.23mm*P1.27mm*
U15 = -: Datasheet: http://www.ti.com/lit/ds/symlink/tps51200.pdf; Description: Sink and Source DDR Termination Regulator, VSON-10; JLCPCB Part #: C34771; ki_fp_filters: *VSON?10?1EP?3x3mm?P0.5mm*
U17 = -: Datasheet: https://www.st.com/resource/en/datasheet/stm32g070rb.pdf; Description: STMicroelectronics Arm Cortex-M0+ MCU, 128KB flash, 36KB RAM, 64 MHz, 2.0-3.6V, 59 GPIO, LQFP64; JLCPCB Part #: C529340; LCSC: C529340; ki_fp_filters: LQFP*10x10mm*P0.5mm*
